# Altium PCB uTCA_MCH_PCB3.pcbdoc (part 9 of 25) (continued)
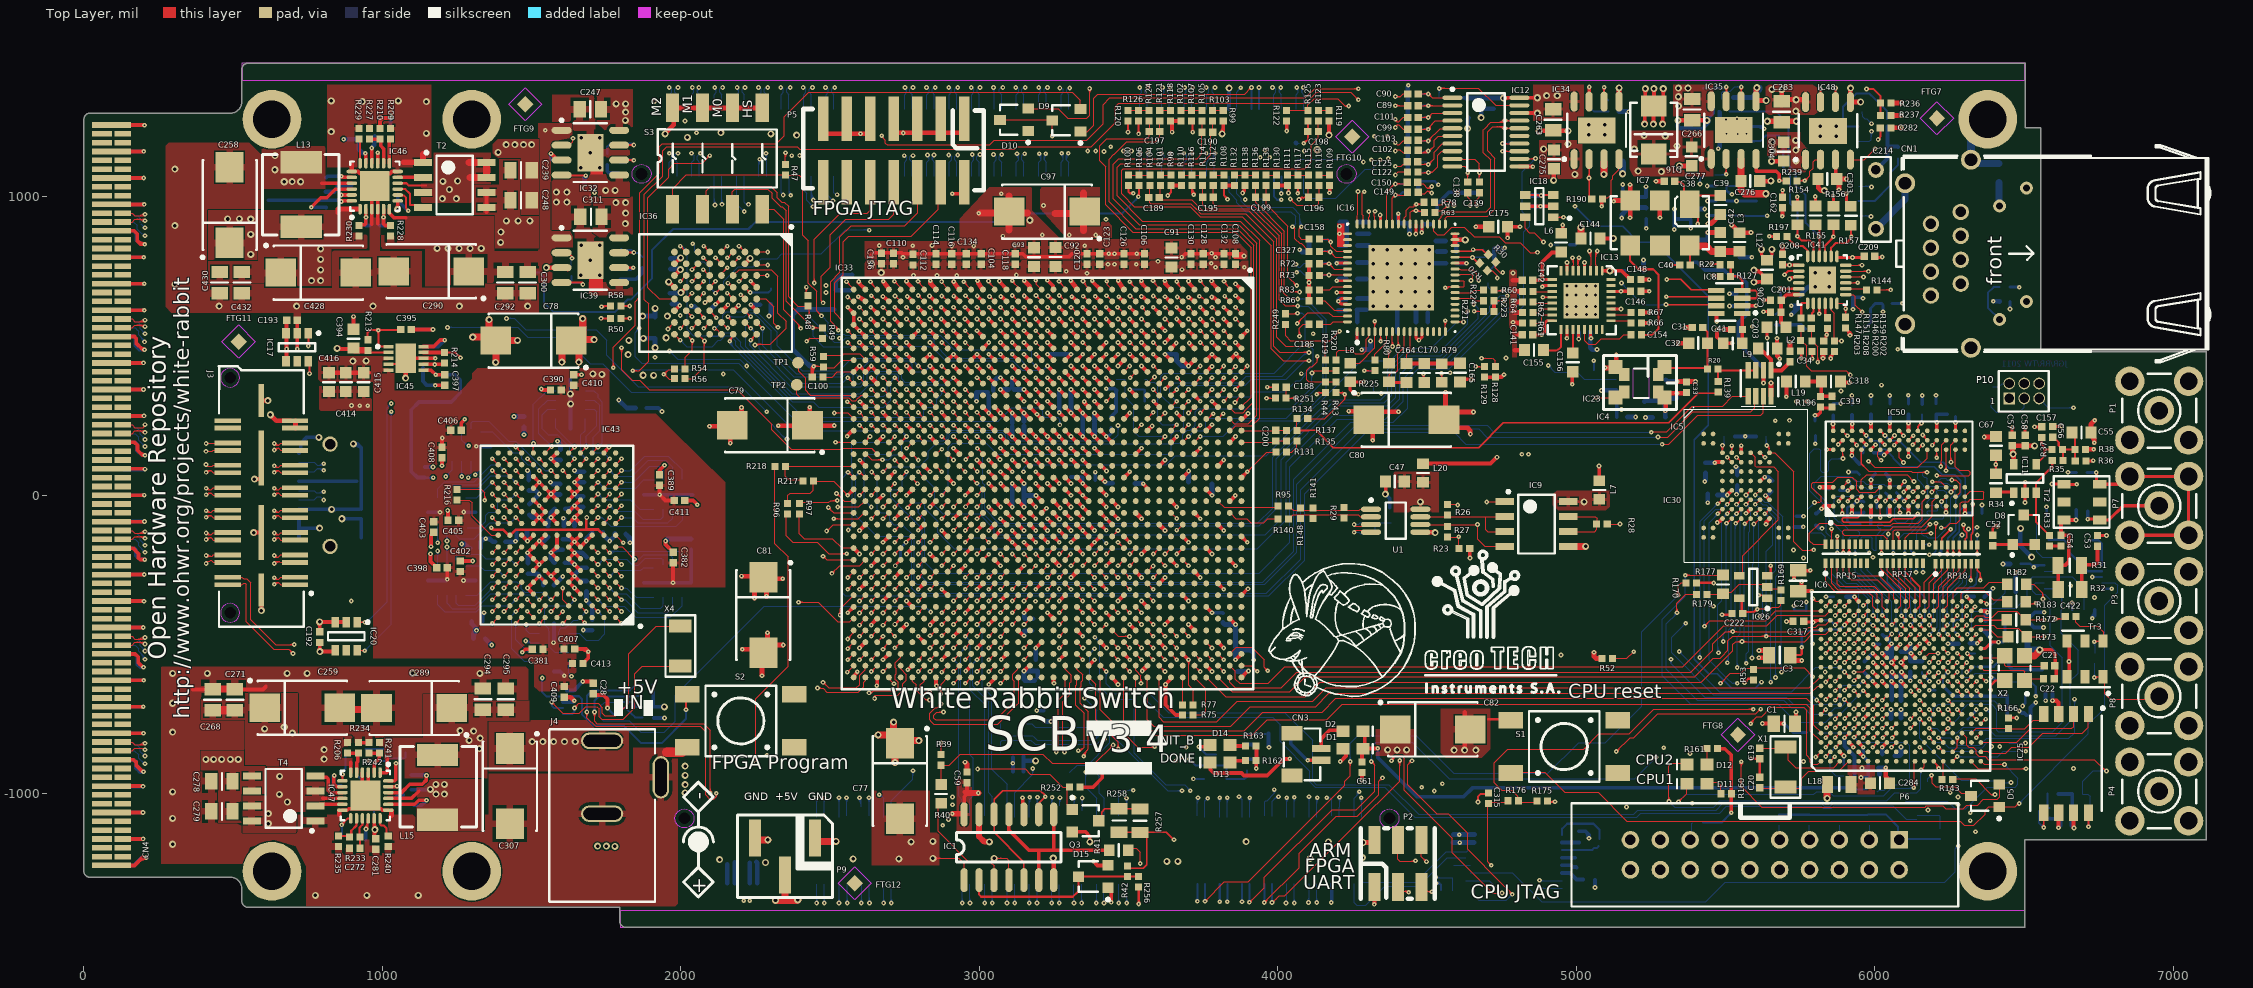
[diagram p0: Top Layer view]
## Nets (pads, with @x,y where several pads share a name; then routed paths per layer and width w, separated by ;. In a path a pad name is that pad's centre, name@x,y a point inside that pad or via, vN(x,y) a via of type N, cw(c..) or ccw(c..) an arc to the next point about the centre after c; other vN are vias at no path point) (continued)
  Bottom Layer w3.94: 4004.44,1348.48 cw(c4017.98,1348.48) v1@4012.33,1360.78 ; 4004.44,1354.62 cw(c4015.16,1354.62) v1@4010.68,1364.35 ; v1(4009.86,1366.14) 4004.44,1360.73 4004.44,1349.33 4011.57,1342.2 J1.91@4011.57,1293.9
FPGA_GCLK_P: IC33.D11 J1.89 | length 1482.6
  Top Layer w3.94: v1(3740.16,275.59) IC33.D11@3759.84,295.28 ; v1@3740.16,281.5 ccw(c3740.16,295.75) 3750.24,285.67 ccw(c3760.32,275.59) v1@3746.06,275.59
  MidLayer2 w3.94: v1@3740.16,281.5 ccw(c3740.16,295.75) 3750.24,285.67 ccw(c3760.32,275.59) v1@3746.06,275.59 ; v1@3742.13,273.62 v1(3740.16,275.59) 3765.19,300.62 3766.37,300.62 3767.17,301.42 3789.54,301.42 3789.63,301.32 3795.32,301.32 3805.12,311.12 3805.12,319.28 3814.5,328.66 3822.65,328.66 3844.21,350.22 3844.21,360.94 3852.8,369.53 3863.62,369.53 3981.23,487.13 3981.23,713.66 3980.34,714.54 ; 3980.06,714.82 3980.34,714.54 ; v1(3982.28,1366.14) 3982.28,1358.28 3988.19,1352.36 ; v1@3983.91,1365.04 ccw(c3990,1360.94) 3984.81,1355.74 ; v1@3987.17,1362.84 ccw(c3994.04,1358.22) 3988.19,1352.36 ; 3992.13,1316.93 3986.22,1322.83 3960.63,1322.83 3954.72,1328.74 3954.72,1340.55 3958.66,1344.49 3984.25,1344.49 3988.19,1348.43 3988.19,1352.36 ; 3992.4,1316.84 3992.4,1061.62 3973.03,1042.26 3973.03,722.41 3980.34,715.1 3980.34,714.54
  Bottom Layer w3.94: v1@3983.43,1364.54 cw(c3986.51,1360.27) 3990.24,1364 ; v1@3985.73,1361.35 cw(c3989.25,1356.48) 3993.51,1360.73 ; J1.89@3986.38,1293.9 3986.38,1342.2 3993.51,1349.33 3993.51,1360.73 ; v1@3988.09,1366.14 3993.51,1360.73
FPGA_GPIO0: IC33.AF34 J2.2 | length 2096.8
  Top Layer w3.94: v1@2866.77,-661.97 ccw(c2855.45,-650.65) 2871.46,-650.65 ; v1@2871.46,-661.54 2871.46,-632.48 IC33.AF34@2893.7,-610.24 ; 2871.46,-653.12 ccw(c2883.97,-653.12) v1@2875.12,-661.97
  MidLayer3 w3.94: v1@2874.02,-663.07 2877.94,-667 2910,-667 3018.3,-775.3 3018.3,-1073.3 3139,-1194 4096.78,-1194 4277,-1013.78 v1(4279.53,-1013.78) ; v1@2875.12,-670.32 cw(c2883.13,-678.33) 2883.13,-667 ; v1@2875.12,-661.97 ccw(c2887.27,-649.81) 2887.27,-667 ; 4265.13,-1025.65 cw(c4279.53,-1040.04) v1@4279.53,-1019.68 ; 4271.23,-1019.55 ccw(c4265.47,-1013.78) v1@4273.62,-1013.78 ; 4271.85,-1018.93 cw(c4279.53,-1026.6) v1@4279.53,-1015.75
  Bottom Layer w3.94: v1@4275.35,-1017.96 cw(c4263.37,-1029.94) J2.2@4280.31,-1029.94 ; J2.2@4280.31,-1078.15 v1@4280.31,-1014.57 ; 4280.31,-1026.14 cw(c4291.88,-1026.14) v1@4283.7,-1017.96
  other v1: 2870.94,-666.14
FPGA_GPIO1: IC33.AE33 J2.4 | length 2128.9
  Top Layer w3.94: v1(2913.39,-590.55) IC33.AE33@2933.07,-570.87 ; v1@2913.39,-584.65 ccw(c2913.39,-570.39) 2923.47,-580.47 ccw(c2933.55,-590.55) v1@2919.29,-590.55
  MidLayer3 w3.94: v1@2907.48,-590.55 cw(c2893.22,-590.55) 2903.3,-600.63 cw(c2913.39,-610.71) v1@2913.39,-596.46 ; v1(2913.39,-590.55) 2893.7,-610.24 2893.7,-632.7 3030.89,-769.89 3030.89,-1065.89 3148.07,-1183.07 4040.94,-1183.07 4190.54,-1033.46 4232.28,-1033.46 v1(4272.64,-993.11) ; v1@4266.73,-993.11 cw(c4252.48,-993.11) 4262.56,-1003.19 cw(c4272.64,-1013.27) v1@4272.64,-999.02
  Bottom Layer w3.94: J2.4@4255.12,-1078.15 4255.12,-1014.96 ; 4255.24,-1015.08 4272.64,-997.68 v1(4272.64,-993.11) ; 4259.33,-1010.99 ccw(c4241.45,-993.11) v1@4266.73,-993.11 ; 4266.05,-1004.27 ccw(c4254.89,-993.11) v1@4270.67,-993.11
FPGA_GPIO2: IC33.AE34 J2.6 | length 1907.1
  Top Layer w3.94: v1(2913.39,-629.92) IC33.AE34@2933.07,-610.24 ; v1@2913.39,-624.02 ccw(c2913.39,-609.76) 2923.47,-619.84 ccw(c2933.55,-629.92) v1@2919.29,-629.92
  MidLayer3 w3.94: v1@2913.39,-635.83 cw(c2913.39,-650.08) 2923.47,-640 cw(c2933.55,-629.92) v1@2919.29,-629.92 ; v1(2913.39,-629.92) 3043.46,-760 3043.46,-1056.46 3122.83,-1135.83 4064.96,-1135.83 4188.98,-1011.81 v1@4204.72,-1011.81 ; v1@4202.52,-1015.99 ccw(c4192.44,-1026.07) 4192.44,-1011.81 ccw(c4192.44,-997.55) v1@4202.52,-1007.64
  Bottom Layer w3.94: v1@4202.52,-1015.99 cw(c4192.44,-1026.07) 4206.69,-1026.07 cw(c4220.95,-1026.07) v1@4210.87,-1015.99 ; J2.6@4205.35,-1078.15 J2.6@4205.35,-1044.63 ; J2.6@4206.69,-1045.97 v1@4206.69,-1015.76
  other v1: 4206.69,-1011.81
FPGA_GPIO3: IC33.AD32 J2.8 | length 1922
  Top Layer w3.94: v1(2952.76,-551.18) IC33.AD32@2972.44,-531.5 ; v1@2952.76,-545.28 ccw(c2952.76,-531.02) 2962.84,-541.1 ccw(c2972.92,-551.18) v1@2958.66,-551.18
  MidLayer3 w3.94: v1@2946.85,-551.18 cw(c2932.59,-551.18) 2942.67,-561.26 cw(c2952.76,-571.34) v1@2952.76,-557.09 ; v1(2952.76,-551.18) 2935.04,-568.9 2935.04,-633.86 3054.99,-753.81 3054.99,-1039.99 3139.02,-1124.02 4055.12,-1124.02 v1@4164.37,-1014.76 ; 4151.9,-1027.24 ccw(c4138.44,-1013.78) v1@4157.47,-1013.78 ; 4156.67,-1022.46 cw(c4163.38,-1029.16) v1@4163.38,-1019.68 ; 4158.62,-1020.52 ccw(c4151.88,-1013.78) v1@4161.41,-1013.78
  Bottom Layer w3.94: v1@4164.45,-1013.66 4173.43,-1013.66 4180.16,-1020.39 J2.8@4180.16,-1074.21 ; v1@4168.49,-1010.82 ccw(c4173.42,-1007.95) 4173.42,-1013.66 ccw(c4173.42,-1019.15) v1@4168.59,-1016.56
  other v1: 4163.38,-1013.78
FPGA_GPIO4: IC33.AD34 J2.10 | length 1769.8
  Top Layer w3.94: v1(2952.75,-629.92) IC33.AD34@2972.44,-610.24 ; v1@2952.75,-624.01 ccw(c2952.75,-609.74) 2962.85,-619.83 ccw(c2972.89,-629.92) v1@2958.66,-629.92
  MidLayer3 w3.94: v1@2952.75,-635.83 cw(c2952.75,-650.08) 2962.83,-640 cw(c2972.91,-629.92) v1@2958.66,-629.92 ; v1(2952.75,-629.92) 3069.67,-746.84 3069.67,-1016.91 3163,-1110.24 4033.46,-1110.24 v1@4129.92,-1013.78 ; 4118.45,-1025.25 cw(c4131.89,-1038.69) v1@4131.89,-1019.69 ; 4123.2,-1020.5 ccw(c4116.48,-1013.78) v1@4125.98,-1013.78 ; 4125.17,-1018.53 cw(c4131.89,-1025.25) v1@4131.89,-1015.75
  Bottom Layer w3.94: v1@4127.71,-1017.96 cw(c4121.24,-1024.43) 4130.39,-1024.43 ; J2.10@4130.39,-1078.15 v1@4130.39,-1015.27 ; J2.10@4130.39,-1031.65 cw(c4149.76,-1031.65) v1@4136.07,-1017.96 ; 4130.39,-1022.14 cw(c4140.25,-1022.14) v1@4133.28,-1015.17
  other v1: 4131.89,-1013.78
FPGA_GPIO5: IC33.AC33 J2.12 | length 1757.8
  Top Layer w3.94: v1(2992.13,-590.55) IC33.AC33@3011.81,-570.87 ; v1@2992.13,-584.65 ccw(c2992.13,-570.39) 3002.21,-580.47 ccw(c3012.29,-590.55) v1@2998.03,-590.55
  MidLayer3 w3.94: v1@2986.22,-590.55 cw(c2971.96,-590.55) 2982.04,-600.63 cw(c2992.13,-610.71) v1@2992.13,-596.46 ; v1(2992.13,-590.55) 2978,-604.68 2978,-634 3084.87,-740.87 3084.87,-1011.87 3171.39,-1098.39 4019.72,-1098.39 v1@4104.33,-1013.78 ; 4091.45,-1026.66 ccw(c4074.63,-1009.84) v1@4098.42,-1009.84 ; 4098.17,-1019.94 ccw(c4088.07,-1009.84) v1@4102.35,-1009.84 ; 4100.98,-1017.13 cw(c4104.32,-1020.47) v1@4104.32,-1015.75 ; v1@4104.32,-1013.77 v1(4104.32,-1009.84)
  Bottom Layer w3.94: v1@4100.15,-1014.02 cw(c4087.95,-1026.21) 4105.2,-1026.21 ; J2.12@4105.2,-1078.15 v1@4105.2,-1014.65 ; 4105.2,-1021.99 cw(c4116.47,-1021.99) v1@4108.5,-1014.02
FPGA_GPIO6: IC33.AC34 J2.14 | length 1766.9
  Top Layer w3.94: v1@2992.12,-624.01 ccw(c2992.12,-609.74) 3002.22,-619.83 ccw(c3012.26,-629.92) v1@2998.03,-629.92 ; v1(2992.12,-629.92) IC33.AC34@3011.81,-610.24
  MidLayer1 w3.94: v1@2986.21,-629.92 cw(c2971.96,-629.92) 2982.04,-640 cw(c2992.12,-650.08) v1@2992.12,-635.83 ; v1(2992.12,-629.92) 2972.44,-649.6 2972.44,-795.28 3035.84,-858.67 3035.84,-1047.65 3126.18,-1137.99 3960.43,-1137.99 4057.09,-1041.34 v1@4057.09,-1015.75 ; v1@4050.94,-1015.99 cw(c4036.11,-1030.82) 4057.09,-1030.82 ; v1@4053.73,-1013.2 cw(c4045.61,-1021.32) 4057.09,-1021.32 cw(c4064.62,-1021.32) v1@4059.29,-1015.99
  Bottom Layer w3.94: v1@4050.94,-1015.99 cw(c4040.1,-1026.83) 4055.43,-1026.83 ; J2.14@4055.43,-1078.15 v1@4055.43,-1014.09 ; 4055.43,-1025.31 cw(c4068.62,-1025.31) v1@4059.29,-1015.99
  other v1: 4055.12,-1011.81
FPGA_GPIO7: IC33.AB33 J2.16 | length 1704.2
  Top Layer w3.94: v1(3031.5,-590.55) IC33.AB33@3051.18,-570.87 ; v1@3031.5,-584.65 ccw(c3031.5,-570.39) 3041.58,-580.47 ccw(c3051.66,-590.55) v1@3037.4,-590.55
  MidLayer1 w3.94: v1@3025.59,-590.55 cw(c3011.33,-590.55) 3021.41,-600.63 cw(c3031.5,-610.71) v1@3031.5,-596.46 ; v1(3031.5,-590.55) 3011.81,-610.24 3011.81,-789.37 3051.23,-828.79 3051.23,-1019.73 3158.31,-1126.81 3916.5,-1126.81 v1(4029.53,-1013.78) ; v1@4023.62,-1013.78 cw(c4009.36,-1013.78) 4019.45,-1023.86 cw(c4029.53,-1033.94) v1@4029.53,-1019.68
  Bottom Layer w3.94: v1@4025.35,-1017.96 cw(c4013.56,-1029.75) 4030.24,-1029.75 ; J2.16@4030.24,-1078.15 v1@4030.24,-1014.49 ; 4030.24,-1026.32 cw(c4042.07,-1026.32) v1@4033.7,-1017.96
FPGA_GPIO8: IC33.AB32 J2.18 | length 1720.9
  Top Layer w3.94: v1(3031.5,-551.18) IC33.AB32@3051.18,-531.5 ; v1@3031.5,-545.28 ccw(c3031.5,-531.02) 3041.58,-541.1 ccw(c3051.66,-551.18) v1@3037.4,-551.18
  MidLayer1 w3.94: v1@3031.5,-557.09 cw(c3031.5,-571.34) 3041.58,-561.26 cw(c3051.66,-551.18) v1@3037.4,-551.18 ; v1(3031.5,-551.18) 3053.15,-572.83 3053.15,-787.4 3066.98,-801.23 3066.98,-1000.05 3181.65,-1114.72 3901.02,-1114.72 v1@4001.97,-1013.78 ; 3989.1,-1026.64 ccw(c3972.3,-1009.84) v1@3996.06,-1009.84 ; 3995.82,-1019.92 ccw(c3985.74,-1009.84) v1@4000,-1009.84 ; 3998.61,-1017.14 cw(c4001.97,-1020.5) v1@4001.97,-1015.75
  Bottom Layer w3.94: J2.18@3980.47,-1076.18 J2.18@3980.47,-1074.21 3980.47,-1024.45 ; 3987.07,-1017.85 cw(c4001.66,-1032.45) v1@4001.94,-1011.81 ; 3993.66,-1011.26 cw(c4001.84,-1019.44) v1@4002,-1007.87 ; v1@4000,-1009.84 3995.08,-1009.84 3980.47,-1024.45 ; v1@4001.89,-1015.75 ccw(c4001.48,-1045.46) 3980.47,-1024.45
  other v1: 4001.97,-1009.84
FPGA_GPIO9: IC33.AA34 J2.20 | length 1619.8
  Top Layer w3.94: v1(3070.87,-629.92) IC33.AA34@3090.55,-610.24 ; v1@3070.87,-624.02 ccw(c3070.87,-609.76) 3080.95,-619.84 ccw(c3091.03,-629.92) v1@3076.77,-629.92
  MidLayer1 w3.94: v1@3066.69,-634.1 cw(c3056.61,-644.18) 3070.87,-644.18 cw(c3085.12,-644.18) v1@3075.04,-634.1 ; v1(3070.87,-629.92) 3070.87,-748.03 3079.51,-756.68 3079.51,-994.86 3185.59,-1100.94 3840,-1100.94 3952.76,-988.19 v1@3986.22,-988.19 ; 3969.18,-988.19 ccw(c3969.18,-967.21) v1@3984.01,-982.04 ; v1@3984.01,-990.4 ccw(c3978.68,-995.73) 3978.68,-988.19 ccw(c3978.68,-976.72) v1@3986.8,-984.83
  Bottom Layer w3.94: J2.20@3955.28,-1074.21 3955.28,-1027.52 3959.17,-1023.62 3963.66,-1023.62 3988.31,-998.98 ; v1@3984.44,-990.78 cw(c3977.69,-998.98) 3988.31,-998.98 ; v1@3984.72,-991 cw(c3979.8,-997.79) 3988.19,-997.79 ; v1@3988.19,-988.19 3988.19,-997.8 ; v1@3988.31,-984.84 3988.31,-998.98 ; v1@3991.65,-991 ccw(c3996.58,-997.79) 3988.19,-997.79 ; v1@3992.08,-990.66 ccw(c3999.35,-998.98) 3988.31,-998.98
  other v1: 3988.19,-986.22
FPGA_GPIO10: IC33.AA33 J2.22 | length 1412.1
  Top Layer w3.94: v1(3070.87,-590.55) IC33.AA33@3090.55,-570.87 ; v1@3070.87,-584.65 ccw(c3070.87,-570.39) 3080.95,-580.47 ccw(c3091.03,-590.55) v1@3076.77,-590.55
  MidLayer1 w3.94: v1@3070.87,-596.46 cw(c3070.87,-610.71) 3080.95,-600.63 cw(c3091.03,-590.55) v1@3076.77,-590.55 ; v1(3070.87,-590.55) 3100.12,-619.8 3100.12,-665.2 3143.7,-708.78 3143.7,-932.43 3198.36,-987.09 3267.8,-987.09 3370.28,-1089.57 3812.99,-1089.57 3852.36,-1050.2 3869.09,-1050.2 v1(3905.51,-1013.78) ; v1@3899.61,-1013.78 cw(c3885.35,-1013.78) 3895.43,-1023.86 cw(c3905.51,-1033.94) v1@3905.51,-1019.68
  Bottom Layer w3.94: v1@3901.34,-1017.96 cw(c3891.25,-1028.04) 3905.51,-1028.04 cw(c3919.77,-1028.03) v1@3909.69,-1017.96 ; J2.22@3905.51,-1078.15 v1(3905.51,-1013.78)
FPGA_GPIO11: IC33.AA31 J2.24 | length 1363.8
  Top Layer w3.94: v1(3070.87,-511.81) IC33.AA31@3090.55,-492.13 ; v1@3070.87,-505.91 ccw(c3070.87,-491.65) 3080.95,-501.73 ccw(c3091.03,-511.81) v1@3076.77,-511.81
  MidLayer1 w3.94: v1@3070.87,-517.72 cw(c3070.87,-531.97) 3080.95,-521.89 cw(c3091.03,-511.81) v1@3076.77,-511.81 ; v1(3070.87,-511.81) 3120.47,-561.41 3120.47,-661.26 3157.48,-698.27 3157.48,-812.99 3336.45,-991.96 3411.79,-991.96 3421.07,-1001.24 3533.49,-1001.24 3595.24,-1062.99 3809.06,-1062.99 ; 3809.29,-1062.76 3826.65,-1045.4 3840.55,-1031.5 3848.43,-1031.5 v1@3866.14,-1013.78 ; v1@3864.17,-1009.84 cw(c3849.92,-1009.84) 3860,-1019.92 cw(c3870.08,-1030.01) v1@3870.08,-1015.75 ; v1(3870.08,-1009.84) v1@3875.98,-1009.84
  Bottom Layer w3.94: v1@3870.08,-1015.75 cw(c3870.08,-1028.2) 3878.88,-1019.39 ; v1@3870.08,-1010.59 3880.31,-1020.83 ; v1@3875.98,-1009.99 ccw(c3890.78,-1010.36) 3880.31,-1020.83 ; J2.24@3880.31,-1078.15 3880.31,-1020.83
FPGA_GPIO12: IC33.AB30 J2.26 | length 1366.1
  Top Layer w3.94: v1(3031.5,-472.44) IC33.AB30@3051.18,-452.76 ; v1@3031.5,-466.54 ccw(c3031.5,-452.28) 3041.58,-462.36 ccw(c3051.66,-472.44) v1@3037.4,-472.44
  MidLayer1 w3.94: v1@3031.5,-478.35 cw(c3031.5,-492.6) 3041.58,-482.52 cw(c3051.66,-472.44) v1@3037.4,-472.44 ; v1(3031.5,-472.44) 3051.18,-492.13 3072.44,-492.13 3133.07,-552.75 3133.07,-650.31 3175.2,-692.44 3175.2,-805.5 3329.22,-959.52 3553.94,-959.52 3645.6,-1051.18 3795.28,-1051.18 v1@3830.71,-1015.75 ; 3819.24,-1027.22 ccw(c3805.79,-1013.78) v1@3824.8,-1013.78 ; 3823.99,-1022.47 cw(c3830.71,-1029.19) v1@3830.71,-1019.69 ; 3825.96,-1020.5 ccw(c3819.24,-1013.78) v1@3828.74,-1013.78
  Bottom Layer w3.94: v1@3826.53,-1017.96 cw(c3816.83,-1027.66) 3830.55,-1027.66 ; J2.26@3830.55,-1078.15 v1@3830.55,-1013.94 ; 3830.55,-1028.42 cw(c3845.35,-1028.42) v1@3834.88,-1017.96
  other v1: 3830.71,-1013.78
FPGA_GPIO13: IC33.AC30 J2.28 | length 1329.1
  Top Layer w3.94: v1(2992.13,-472.44) IC33.AC30@3011.81,-452.76 ; v1@2992.13,-466.54 ccw(c2992.13,-452.28) 3002.21,-462.36 ccw(c3012.29,-472.44) v1@2998.03,-472.44
  MidLayer1 w3.94: v1(2992.13,-472.44) 3007.07,-457.5 ; v1@2992.13,-466.54 ccw(c2992.13,-452.28) 3002.21,-462.36 ccw(c3012.29,-472.44) v1@2998.03,-472.44 ; 3007.87,-456.69 3074.8,-456.69 3167.28,-549.17 3167.28,-646.14 ; 3167.4,-646.26 3167.4,-662.05 3385.83,-880.47 3385.83,-898.02 3434.51,-946.7 3561.1,-946.7 3655.11,-1040.71 3778.19,-1040.71 v1(3805.12,-1013.78) ; v1@3799.21,-1013.78 cw(c3784.96,-1013.78) 3795.04,-1023.86 cw(c3805.12,-1033.94) v1@3805.12,-1019.68
  Bottom Layer w3.94: v1@3800.94,-1017.96 cw(c3790.29,-1028.61) 3805.35,-1028.61 ; J2.28@3805.35,-1078.15 v1@3805.35,-1014.02 ; 3805.35,-1027.47 cw(c3818.8,-1027.47) v1@3809.29,-1017.96
FPGA_GPIO14: IC33.AA28 J2.30 | length 1284.9
  Top Layer w3.94: v1(3070.87,-393.7) IC33.AA28@3090.55,-374.02 ; v1@3070.87,-387.8 ccw(c3070.87,-373.54) 3080.95,-383.62 ccw(c3091.03,-393.7) v1@3076.77,-393.7
  MidLayer1 w3.94: v1@3070.87,-399.61 cw(c3070.87,-413.86) 3080.95,-403.78 cw(c3091.03,-393.7) v1@3076.77,-393.7 ; v1(3070.87,-393.7) 3085.81,-408.64 3085.81,-428.13 3182.87,-525.2 3182.87,-655.51 3458.03,-930.67 3566.82,-930.67 3667.41,-1031.26 3738.42,-1031.26 ; 3744.79,-1024.89 cw(c3763.65,-1043.75) v1@3764.68,-1017.1 ; 3751.16,-1018.52 cw(c3764.12,-1031.48) v1@3764.83,-1013.17 ; v1@3758.96,-1016.29 ccw(c3755.91,-1016.9) 3755.91,-1013.78 ; v1@3759.95,-1011.7 cw(c3755.91,-1008.8) 3755.91,-1013.78 ; v1@3762.8,-1013.78 3755.91,-1013.78 ; v1@3764.53,-1021.04 ccw(c3763.18,-1056.01) 3738.42,-1031.26 ; 3738.42,-1031.26 3755.91,-1013.78
  Bottom Layer w3.94: J2.30@3755.59,-1078.15 3755.59,-1024.09 ; v1@3758.86,-1015.48 cw(c3747.65,-1016.15) 3755.59,-1024.09 ; v1@3762.8,-1013.78 3762.8,-1016.89 3755.59,-1024.09 ; v1@3764.19,-1021.01 ccw(c3763.15,-1031.65) 3755.59,-1024.09
  other v1: 3764.76,-1015.13
FPGA_GPIO15: IC33.AA26 J2.32 | length 1299.4
  Top Layer w3.94: v1(3070.87,-314.96) IC33.AA26@3090.55,-295.28 ; v1@3070.87,-309.06 ccw(c3070.87,-294.8) 3080.95,-304.88 ccw(c3091.03,-314.96) v1@3076.77,-314.96
  MidLayer1 w3.94: v1@3070.87,-320.87 cw(c3070.87,-335.12) 3080.95,-325.04 cw(c3091.03,-314.96) v1@3076.77,-314.96 ; v1(3070.87,-314.96) 3091,-335.09 3091,-367 3098,-374 3124,-374 3133,-383 3133,-445 3137.78,-449.78 3168.78,-449.78 3202.76,-483.76 3202.76,-655.31 3456.89,-909.45 3566.92,-909.45 3669.28,-1011.81 v1@3730.31,-1011.81 ; v1@3070.87,-314.57 v1@3071.06,-314.76 ; 3713.27,-1011.81 cw(c3713.27,-1032.78) v1@3728.1,-1017.95 ; 3722.77,-1011.81 ccw(c3722.77,-1004.27) v1@3728.1,-1009.6 ; 3722.78,-1011.81 cw(c3722.78,-1023.28) v1@3730.88,-1015.17
  Bottom Layer w3.94: v1@3728.1,-1017.95 cw(c3722.56,-1023.49) 3730.39,-1023.49 ; J2.32@3730.39,-1074.21 v1@3730.39,-1013.86 ; J2.32@3730.39,-1032.58 cw(c3751.07,-1032.58) v1@3736.45,-1017.95 ; 3730.39,-1023.07 cw(c3741.57,-1023.07) v1@3733.67,-1015.17
  other v1: 3732.28,-1013.78
FPGA_GPIO16: IC33.AA25 J2.34 | length 1180.5
  Top Layer w3.94: v1(3070.87,-275.59) IC33.AA25@3090.55,-255.91 ; v1@3070.87,-269.69 ccw(c3070.87,-255.43) 3080.95,-265.51 ccw(c3091.03,-275.59) v1@3076.77,-275.59
  MidLayer3 w3.94: v1(3070.87,-275.59) 3090.55,-275.59 3175.2,-360.24 3175.2,-360.3 3182.7,-367.8 3182.76,-367.8 3221.93,-406.97 3221.93,-635.93 3301,-715 3388.86,-715 3539.37,-865.51 3539.37,-995.71 3519.91,-1015.17 v1@3493.92,-1015.17 ; v1@3075.04,-279.77 cw(c3085.12,-289.85) 3085.12,-275.59 cw(c3085.12,-261.33) v1@3075.04,-271.41 ; v1@3497.27,-1019.35 cw(c3507.35,-1029.43) 3507.35,-1015.17 cw(c3507.35,-1000.91) v1@3497.27,-1010.99
  Bottom Layer w3.94: v1@3488.91,-1019.35 cw(c3478.83,-1029.43) 3493.09,-1029.43 cw(c3507.35,-1029.43) v1@3497.27,-1019.35 ; J2.34@3493.09,-1047.57 v1(3493.09,-1015.17)
FPGA_GPIO17: IC33.AB25 J2.36 | length 1217
  Top Layer w3.94: v1(3031.5,-275.59) IC33.AB25@3051.18,-255.91 ; v1@3031.5,-269.69 ccw(c3031.5,-255.42) 3041.58,-265.51 ccw(c3051.66,-275.59) v1@3037.4,-275.59
  MidLayer3 w3.94: v1@3027.32,-279.77 cw(c3017.24,-289.85) 3031.5,-289.85 cw(c3045.75,-289.85) v1@3035.67,-279.77 ; v1(3031.5,-275.59) 3031.5,-293.7 3206.69,-468.9 3206.69,-632.69 3302.04,-728.04 3374.96,-728.04 3519.29,-872.36 3519.29,-989.57 v1@3517.72,-991.14 ; v1@3511.57,-984.01 ccw(c3492.94,-965.38) 3519.29,-965.38 ; v1@3514.36,-986.8 ccw(c3502.44,-974.88) 3519.29,-974.88
  Bottom Layer w3.94: J2.36@3467.72,-1074.21 3467.72,-1000.14 3479.67,-988.19 v1(3515.75,-988.19) ; v1@3511.57,-992.36 ccw(c3501.49,-1002.45) 3501.49,-988.19 ccw(c3501.49,-973.93) v1@3511.57,-984.01
FPGA_GPIO18: IC33.AB27 J2.38 | length 973.9
  Top Layer w3.94: v1(3031.5,-354.33) IC33.AB27@3051.18,-334.65 ; v1@3031.5,-348.43 ccw(c3031.5,-334.17) 3041.58,-344.25 ccw(c3051.66,-354.33) v1@3037.4,-354.33
  MidLayer3 w3.94: v1@3031.5,-360.24 cw(c3031.5,-374.49) 3041.58,-364.41 cw(c3051.66,-354.33) v1@3037.4,-354.33 ; v1(3031.5,-354.33) 3049,-371.83 3049,-391.4 3098.29,-440.69 3098.29,-561.74 3382.56,-846.01 v1@3382.56,-921.49
  Bottom Layer w3.94: v1@3383.86,-929.13 cw(c3383.86,-943.39) 3393.94,-933.31 cw(c3404.02,-923.23) v1@3389.76,-923.23 ; v1@3385.83,-925.2 3401.57,-940.94 3401.57,-998.03 3417.95,-1014.41 J2.38@3417.95,-1078.15
  other v1: 3383.86,-923.23
FPGA_GPIO19: IC33.AC27 J2.40 | length 1021.8
  Top Layer w3.94: v1(2992.13,-354.33) IC33.AC27@3011.81,-334.65 ; v1@2992.13,-348.43 ccw(c2992.13,-334.16) 3002.21,-344.25 ccw(c3012.29,-354.33) v1@2998.03,-354.33
  MidLayer3 w3.94: v1@2992.13,-360.24 cw(c2992.13,-374.49) 3002.21,-364.41 cw(c3012.29,-354.33) v1@2998.03,-354.33 ; v1(2992.13,-354.33) 3012,-374.2 3012,-440.35 3025.11,-453.46 3036.12,-453.46 3050.8,-468.14 3050.8,-593.4 3070.71,-613.31 3126.27,-613.31 3309.18,-796.22 3309.18,-878.51 v1@3357.4,-926.73
  Bottom Layer w3.94: v1@3352.12,-931.34 cw(c3342.04,-941.42) 3356.3,-941.42 cw(c3370.56,-941.42) v1@3360.48,-931.34 ; v1@3356.3,-929.13 3356.3,-978.35 3392.76,-1014.8 J2.40@3392.76,-1078.15
  other v1: 3356.3,-927.17
FPGA_GPIO20: IC33.AB28 J2.42 | length 1539.6
  Top Layer w3.94: v1(3031.5,-393.7) IC33.AB28@3051.18,-374.02 ; v1@3031.5,-387.8 ccw(c3031.5,-373.54) 3041.58,-383.62 ccw(c3051.66,-393.7) v1@3037.4,-393.7
  MidLayer4 w3.94: v1@3025.59,-393.7 ccw(c3011.33,-393.7) 3021.41,-383.62 ccw(c3031.5,-373.54) v1@3031.5,-387.8 ; v1(3031.5,-393.7) 3011.8,-374 2827,-374 2817,-384 2817,-704.27 2866.61,-753.88 2934.58,-753.88 3036.13,-855.43 3036.13,-1036.44 3100.08,-1100.39 3257.68,-1100.39 3340.31,-1017.76 v1@3345.47,-1017.76 ; 3333.69,-1024.38 cw(c3344.13,-1034.82) v1@3344.13,-1020.06 ; 3334.2,-1023.87 ccw(c3324.47,-1014.15) v1@3338.22,-1014.15
  Bottom Layer w3.94: v1@3339.95,-1018.33 cw(c3329.87,-1028.41) 3344.13,-1028.41 cw(c3358.39,-1028.41) v1@3348.31,-1018.33 ; J2.42@3344.13,-1056.44 v1(3344.13,-1014.15)
FPGA_GPIO21: IC33.AD29 J2.44 | length 1178.9
  Top Layer w3.94: v1(2952.76,-433.07) IC33.AD29@2972.44,-413.39 ; v1@2952.76,-427.17 ccw(c2952.76,-412.91) 2962.84,-422.99 ccw(c2972.92,-433.07) v1@2958.66,-433.07
  MidLayer4 w3.94: v1@2946.85,-433.07 cw(c2932.59,-433.07) 2942.67,-443.15 cw(c2952.76,-453.23) v1@2952.76,-438.98 ; v1(2952.76,-433.07) 2931.1,-454.72 2911,-454.72 2895,-470.72 2895,-643.39 3052.37,-800.76 3052.37,-1026.27 3112.71,-1086.61 3241.66,-1086.61 3312.08,-1016.19 v1@3320.43,-1016.19 ; 3302.63,-1025.64 cw(c3317.73,-1040.74) v1@3317.73,-1019.39 ; 3309.35,-1018.92 cw(c3317.73,-1027.3) v1@3317.73,-1015.45 ; 3309.73,-1018.54 ccw(c3304.67,-1013.48) v1@3311.82,-1013.48
  Bottom Layer w3.94: v1@3313.55,-1017.66 cw(c3303.47,-1027.74) 3317.73,-1027.74 cw(c3331.99,-1027.74) v1@3321.91,-1017.66 ; J2.44@3317.73,-1049.34 v1(3317.73,-1013.48)
FPGA_GPIO22: IC33.AE31 J2.46 | length 937.6
  Top Layer w3.94: v1(2913.39,-511.81) IC33.AE31@2933.07,-492.13 ; v1@2913.39,-505.91 ccw(c2913.39,-491.65) 2923.47,-501.73 ccw(c2933.55,-511.81) v1@2919.29,-511.81
  MidLayer4 w3.94: v1@2913.39,-517.72 cw(c2913.39,-531.97) 2923.47,-521.89 cw(c2933.55,-511.81) v1@2919.29,-511.81 ; v1(2913.39,-511.81) 2933.57,-532 2933.57,-656.56 3068.62,-791.61 3068.62,-1002.66 3084.45,-1018.49 3084.5,-1018.49 3120.16,-1054.15 3228.2,-1054.15 v1@3269.01,-1013.34 ; 3258.88,-1023.47 cw(c3270.02,-1034.61) v1@3270.02,-1018.86 ; 3260.38,-1021.97 ccw(c3251.35,-1012.95) v1@3264.11,-1012.95
  Bottom Layer w3.94: v1@3265.84,-1017.13 cw(c3255.76,-1027.21) 3270.02,-1027.21 cw(c3284.28,-1027.21) v1@3274.2,-1017.13 ; J2.46@3270.02,-1039.41 v1(3270.02,-1012.95)
FPGA_GPIO23: IC33.Y26 J2.48 | length 954
  Top Layer w3.94: v1(3110.24,-314.96) IC33.Y26@3129.92,-295.28 ; v1@3110.24,-309.06 ccw(c3110.24,-294.8) 3120.32,-304.88 ccw(c3130.4,-314.96) v1@3116.14,-314.96
  MidLayer4 w3.94: v1@3104.33,-314.96 cw(c3090.07,-314.96) 3100.15,-325.04 cw(c3110.24,-335.12) v1@3110.24,-320.87 ; v1(3110.24,-314.96) 3094,-331.2 3094,-449 3125,-480 3125,-749.17 3251.16,-875.33 3251.16,-981.28 3244.13,-988.31 v1@3244.13,-1011.41 ; v1@3239.49,-1007.84 ccw(c3228.3,-996.65) 3244.13,-996.65 ; 3244.13,-998.87 ccw(c3256.82,-998.87) v1@3247.85,-1007.84
  Bottom Layer w3.94: v1@3239.49,-1016.2 cw(c3231.43,-1024.26) 3242.83,-1024.26 ; J2.48@3242.83,-1078.15 J2.48@3242.83,-1074.21 v1@3242.83,-1012.8 ; 3242.83,-1028.29 cw(c3259.94,-1028.29) v1@3247.85,-1016.2
  other v1: 3243.67,-1012.02
FPGA_GPIO24: IC33.AA29 J2.50 | length 845.4
  Top Layer w3.94: v1(3070.87,-433.07) IC33.AA29@3090.55,-413.39 ; v1@3070.87,-427.17 ccw(c3070.87,-412.91) 3080.95,-422.99 ccw(c3091.03,-433.07) v1@3076.77,-433.07
  MidLayer4 w3.94: v1@3066.69,-437.25 cw(c3056.61,-447.33) 3070.87,-447.33 cw(c3085.12,-447.33) v1@3075.04,-437.25 ; v1(3070.87,-433.07) 3070.87,-454.35 3108.26,-491.74 3108.26,-750.31 3231.67,-873.72 3231.67,-973.1 3197.1,-1007.67 v1@3193.39,-1007.67 ; v1@3194.6,-1005.8 ccw(c3194.6,-995.27) 3202.05,-1002.72 ; v1@3200.51,-1011.71 cw(c3218.48,-1011.71) 3205.77,-999
  Bottom Layer w3.94: v1@3190.42,-1015.89 cw(c3184.03,-1022.28) 3193.07,-1022.28 ; J2.50@3193.07,-1074.21 v1@3193.07,-1013.25 ; 3193.07,-1029.66 cw(c3212.55,-1029.66) v1@3198.78,-1015.89 ; 3193.07,-1020.15 cw(c3203.04,-1020.15) v1@3195.99,-1013.1
  other v1: 3194.6,-1011.71
FPGA_GPIO25: IC33.AA30 J2.52 | length 805.5
  Top Layer w3.94: v1@3070.87,-472.44 IC33.AA30@3090.55,-452.76 ; v1@3070.86,-468.5 ccw(c3070.86,-458.98) 3077.59,-465.71 ; v1@3072.83,-474.41 cw(c3082.31,-474.41) 3075.61,-467.7 ; v1@3076.77,-474.41 cw(c3095.76,-474.41) 3082.33,-460.98
  MidLayer4 w3.94: v1@3070.86,-480.31 cw(c3070.86,-494.57) 3080.94,-484.49 cw(c3091.02,-474.41) v1@3076.77,-474.41 ; v1(3070.86,-474.41) 3092.73,-496.27 3092.73,-753.47 3212.61,-873.36 3212.61,-947.97 3168,-992.58 v1@3168,-1014 ; v1@3164.82,-1007.82 ccw(c3157.16,-1000.16) 3168,-1000.16 ; 3168,-995.33 ccw(c3185.67,-995.33) v1@3173.18,-1007.82
  Bottom Layer w3.94: v1@3164.82,-1016.18 cw(c3157.46,-1023.54) 3167.87,-1023.54 ; J2.52@3167.87,-1078.15 v1@3167.87,-1014.33 ; 3167.87,-1028.97 cw(c3185.97,-1028.97) v1@3173.18,-1016.18
  other v1: 3169,-1012
FPGA_GPIO26: IC33.AB31 J2.54 | length 783.6
  Top Layer w3.94: v1(3031.5,-511.81) IC33.AB31@3051.18,-492.13 ; v1@3031.5,-505.91 ccw(c3031.5,-491.65) 3041.58,-501.73 ccw(c3051.66,-511.81) v1@3037.4,-511.81
  MidLayer4 w3.94: v1@3031.5,-517.72 cw(c3031.5,-531.97) 3041.58,-521.89 cw(c3051.66,-511.81) v1@3037.4,-511.81 ; v1(3031.5,-511.81) 3052,-532.31 3052,-741.9 3145.39,-835.29 3145.39,-904.56 3156.18,-915.35 v1(3179.13,-915.35) ; v1@3174.96,-919.53 ccw(c3164.88,-929.61) 3164.88,-915.35 ccw(c3164.88,-901.1) v1@3174.96,-911.18
  Bottom Layer w3.94: J2.54@3118.11,-1078.15 3118.11,-996.46 3179.13,-935.44 v1(3179.13,-915.35) ; v1@3174.96,-919.53 cw(c3164.88,-929.61) 3179.13,-929.61 cw(c3193.39,-929.61) v1@3183.31,-919.53
FPGA_GPIO27: IC33.AC29 J2.56 | length 755.4
  Top Layer w3.94: v1(2992.13,-433.07) IC33.AC29@3011.81,-413.39 ; v1@2992.13,-427.17 ccw(c2992.13,-412.91) 3002.21,-422.99 ccw(c3012.29,-433.07) v1@2998.03,-433.07
  Bottom Layer w4: v1@2992.13,-438.94 cw(c2992.13,-453.13) 3002.15,-443.1 cw(c3012.18,-433.07) v1@2998,-433.07 ; v1(2992.13,-433.07) 3010,-450.94 3010,-642 3042.12,-674.12 3042.12,-917.12 3092.91,-967.91 J2.56@3092.91,-1074.21
FPGA_GPIO28: IC33.AC32 J2.58 | length 628.1
  Top Layer w3.94: v1(2992.13,-551.18) IC33.AC32@3011.81,-531.5 ; v1@2992.13,-545.28 ccw(c2992.13,-531.02) 3002.21,-541.1 ccw(c3012.29,-551.18) v1@2998.03,-551.18
  Bottom Layer w4: v1@2986.25,-551.18 cw(c2972.07,-551.18) 2982.1,-561.21 cw(c2992.13,-571.24) v1@2992.13,-557.06 ; v1(2992.13,-551.18) 2978.31,-565 2978.31,-638.31 3031.24,-691.24 3031.24,-997.5 3043.15,-1009.41 J2.58@3043.15,-1074.21
FPGA_GPIO29: IC33.AD30 J2.60 | length 701.3
  Top Layer w3.94: v1(2952.76,-472.44) IC33.AD30@2972.44,-452.76 ; v1@2952.76,-466.54 ccw(c2952.76,-452.28) 2962.84,-462.36 ccw(c2972.92,-472.44) v1@2958.66,-472.44
  Bottom Layer w4: v1@2952.76,-478.31 cw(c2952.76,-492.5) 2962.78,-482.47 cw(c2972.81,-472.44) v1@2958.63,-472.44 ; v1(2952.76,-472.44) 2970,-489.68 2970,-653 3017.95,-700.95 J2.60@3017.95,-1074.21
FPGA_GPIO30: IC33.AD31 J2.62 | length 663.2
  Top Layer w3.94: v1(2952.47,-511.52) IC33.AD31@2971.86,-492.13 ; v1@2952.47,-505.62 ccw(c2952.47,-491.36) 2962.55,-501.44 ccw(c2972.63,-511.52) v1@2958.37,-511.52
  Bottom Layer w3.94: v1@2946.56,-511.52 cw(c2932.31,-511.52) 2942.39,-521.6 cw(c2952.47,-531.69) v1@2952.47,-517.43 ; v1(2952.47,-511.52) 2938,-525.99 2938,-646 2968.19,-676.19 2968.19,-869 2980,-880.81 2980,-1007 2968.19,-1018.81 J2.62@2968.19,-1074.21